# Altium PCB spare.PcbDoc
Units mil, origin at the board's own origin, x right, y up, seen from the top; angles counter-clockwise.
Board outline 3897.64 x 3897.64 mil, 2 copper layers (Top Layer, Bottom Layer); 33 components, 18 nets, 74 pads, 0 vias.
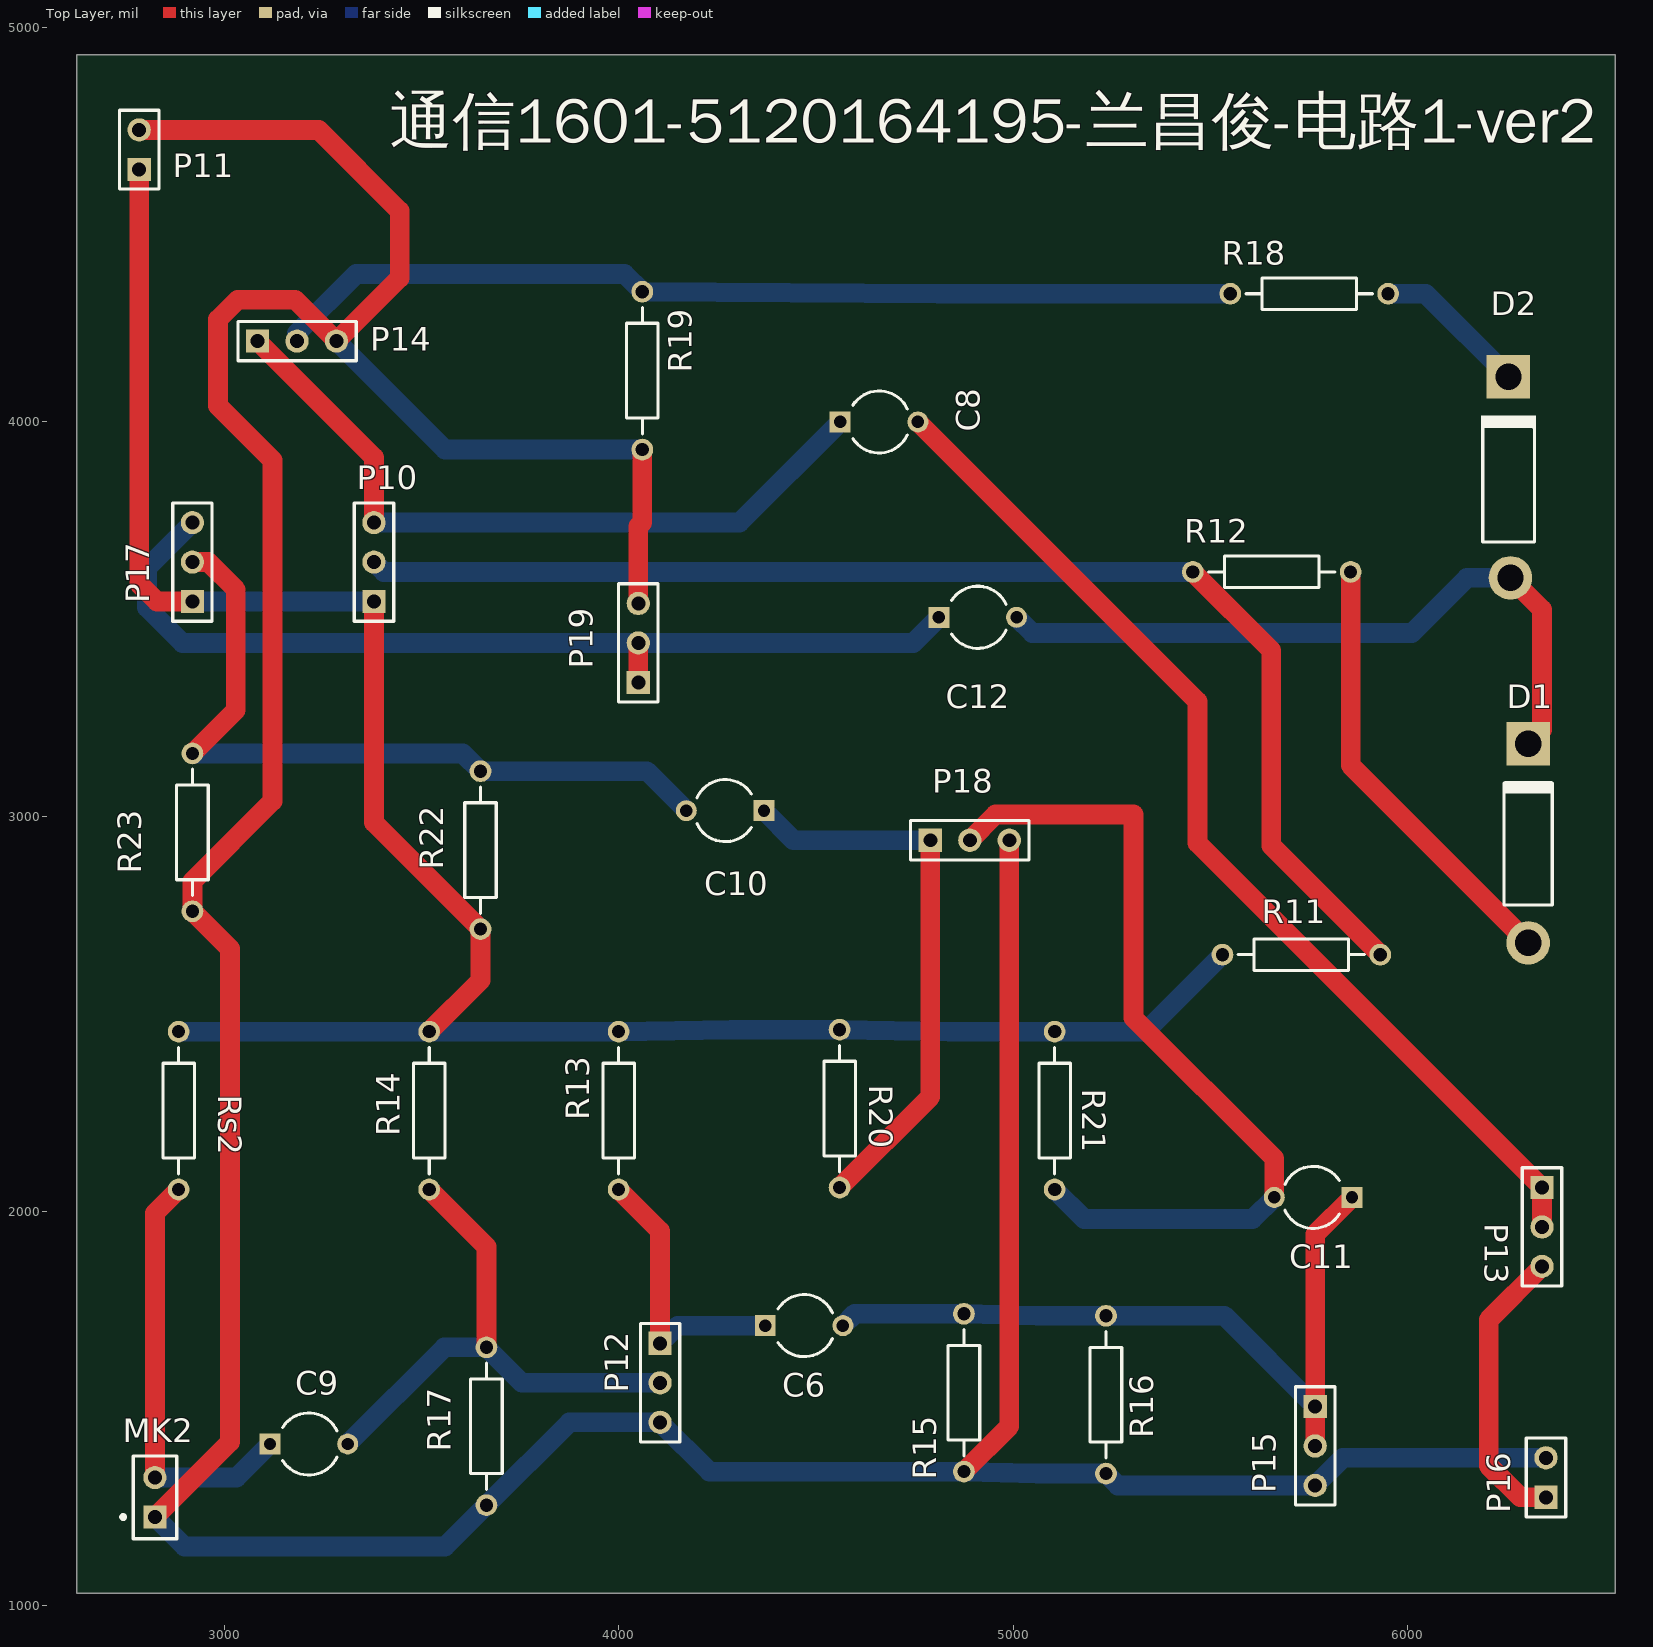
[diagram p0: Top Layer view]
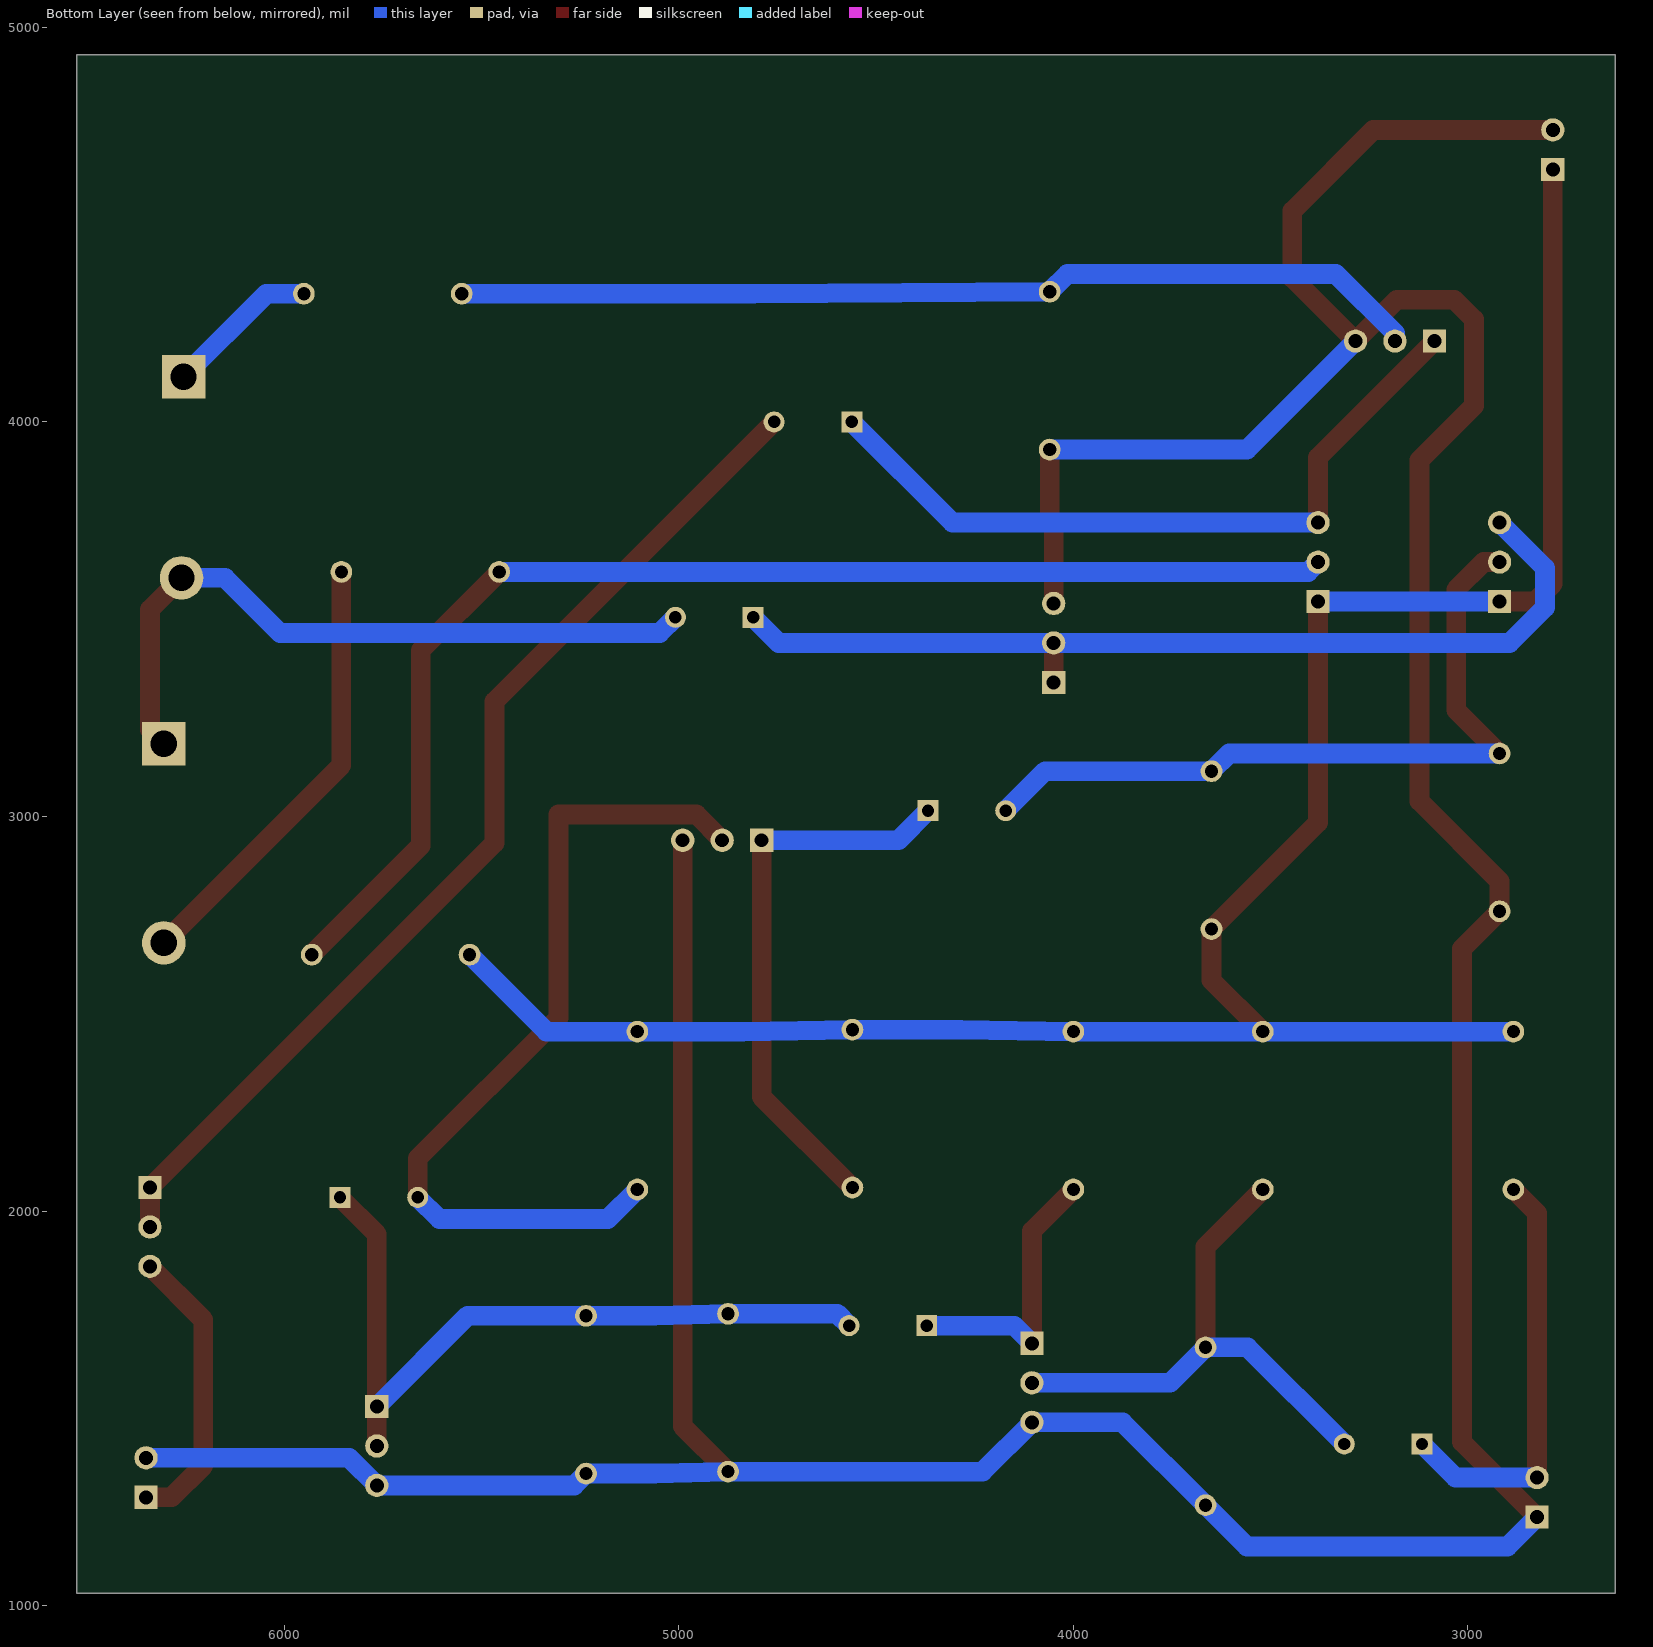
[diagram p1: Bottom Layer view, seen from below]

## Layer stack, top to bottom
Top Solder: solder mask 0.4, Solder Resist, Dk 3.5
Top Layer: signal copper 1.4
Dielectric 1: dielectric 12.6, FR-4, Dk 4.8
Bottom Layer: signal copper 1.4
Bottom Solder: solder mask 0.4, Solder Resist, Dk 3.5

## Board outline
2627.36,1032.36 2627.36,4930 6525,4930 6525,1032.36

## Design rules (kind name [scope] priority, off if disabled: settings)
Clearance [All] p1: gap=10 ignorepadtopadclearanceinfootprint=FALSE except(0: Arc-Hole Track-Hole SMDPad-Hole THPad-Hole Via-Hole Fill-Hole Poly-Hole Region-Hole Text-Hole)
PolygonConnect [All] p1: connectstyle=Relief reliefconductorwidth=10 reliefentries=4 polygonreliefangle="90 Angle" airgapwidth=10
RoutingVias [All] p1: holewidth=28 width=50 viastyle="Through Hole" minholewidth=28 minwidth=50 maxholewidth=28 maxwidth=50
SolderMaskExpansion [All] p1: expansion=4
Width [All] p1: maxlimit=80 minlimit=10 preferedwidth=50
30 further rules are at their usual default settings.

## Components (designator, comment, footprint, x,y, rotation, side; value= is the part's Value field where it differs from the comment)
C6 "Cap2" CAPR5-4X5 4470,1710 r0 top value=100pF
C8 "Cap2" CAPR5-4X5 4660,4000 r0 top value=100pF
C9 "Cap2" CAPR5-4X5 3215,1410 r0 top value=100pF
C10 "Cap2" CAPR5-4X5 4270,3015 r180 top value=100pF
C11 "Cap2" CAPR5-4X5 5760,2035 r180 top value=100pF
C12 "Cap2" CAPR5-4X5 4910,3505 r0 top value=100pF
D1 "Diode 1N5408" DO-201AD#1 6315,2965 r90 top
D2 "Diode 1N5408" DO-201AD#2 6300,3885 r90 top
MK2 "Mic2" PIN2 2825,1225 r90 top
P10 "NPN" HDR1X3 3380,3545 r90 top
P11 "Header 2" HDR1X2 2785,4640 r90 top
P12 "NPN" HDR1X3 4105,1665 r270 top
P13 "Res_var" HDR1X3 6340,2060 r270 top
P14 "PNP" HDR1X3 3085,4205 r0 top
P15 "Res_var" HDR1X3 5765,1505 r270 top
P16 "Speaker" HDR1X2 6350,1275 r90 top
P17 "NPN" HDR1X3 2920,3545 r90 top
P18 "NPN" HDR1X3 4790,2940 r0 top
P19 "Res_var" HDR1X3 4050,3340 r90 top
R11 "Res2" AXIAL-0.4 5730,2650 r0 top value=1K
R12 "Res2" AXIAL-0.4 5655,3620 r180 top value=1K
R13 "Res2" AXIAL-0.4 4000,2255 r90 top value=1K
R14 "Res2" AXIAL-0.4 3520,2255 r90 top value=1K
R15 "Res2" AXIAL-0.4 4875,1540 r90 top value=1K
R16 "Res2" AXIAL-0.4 5235,1535 r90 top value=1K
R17 "Res2" AXIAL-0.4 3665,1455 r90 top value=1K
R18 "Res2" AXIAL-0.4 5750,4325 r0 top value=1K
R19 "Res2" AXIAL-0.4 4060,4130 r90 top value=1K
R20 "Res2" AXIAL-0.4 4560,2260 r90 top value=1K
R21 "Res2" AXIAL-0.4 5105,2255 r90 top value=1K
R22 "Res2" AXIAL-0.4 3650,2915 r270 top value=1K
R23 "Res2" AXIAL-0.4 2920,2960 r90 top value=1K
Rs2 "Res2" AXIAL-0.4 2885,2255 r90 top value=1K

## Footprints (in the part's own frame and the unit in brackets; to place one, negate y for a bottom-side part, rotate by r counter-clockwise, add the part's x,y. Pads: shape width x height; smd on the part's side, far side on the other; paste and mask are expansions set on the pad)
AXIAL-0.4 [mm] "Axial Device, Thru-Hole; 2 Leads; 0.4 in Pin Spacing"
  round 1.4 hole 0.85: 1(-5.08,0) 2(5.08,0)
  silkscreen extent -4.06,-1.02 4.06,1.02
CAPR5-4X5 [mm] "Capacitor; 2 Leads"
  rect 1.35x1.35 hole 0.8: 1(-2.5,0)
  round 1.35 hole 0.8: 2(2.5,0)
  silkscreen extent -1.69,-2 1.82,2
DO-201AD#1 [mm] "Diode, Axial; Body 9.5 x 5.6 mm (LxDia. max), Lead Dia. 1.32 mm (max)"
  round 2.8 hole 1.7: 1(-7.239,0.254)
  rect 2.8x2.8 hole 1.7: 2(5.588,0.254)
  silkscreen extent -4.8,-1.3 3.17,1.8
DO-201AD#2 [mm] "Diode, Axial; Body 9.5 x 5.6 mm (LxDia. max), Lead Dia. 1.32 mm (max)"
  round 2.8 hole 1.7: 1(-7.112,1.016)
  rect 2.8x2.8 hole 1.7: 2(5.842,1.143)
  silkscreen extent -4.8,-0.64 3.34,2.92
HDR1X2 [mm] "Connector; Header; 2 Position"
  rect 1.5x1.5 hole 0.9: 1(0,0)
  round 1.5 hole 0.9: 2(2.54,0)
  silkscreen extent -1.27,-1.27 3.81,1.27
HDR1X3 [mm] "Connector; Header; 3 Position"
  rect 1.5x1.5 hole 0.9: 1(0,0)
  round 1.5 hole 0.9: 2(2.54,0) 3(5.08,0)
  silkscreen extent -1.27,-1.27 6.35,1.27
PIN2 [mm] "Photosensitive Diode; 2 Leads"
  rect 1.5x1.5 hole 0.9: 1(0,0)
  round 1.5 hole 0.9: 2(2.54,0)
  silkscreen extent -1.4,-1.4 3.94,2.17

## Part data
C6 C8 C9 C10 C11 C12: "Capacitor", PackageDescription="Capacitor; 2 Leads", PackageReference=CAPR5-4X5, Published=23-Sep-2002, Publisher="Altium Limited"
D1 D2: "3 Amp Medium Power Silicon Rectifier Diode", ComponentLink1Description="Manufacturer Link", ComponentLink1URL=http://www.irf.com/, DatasheetVersion=Aug-1984, LatestRevisionDate=17-Jul-2002, LatestRevisionNote="Re-released for DXP Platform.", PackageDescription="Diode, Axial; Body 9.5 x 5.3 mm (LxDia. max), Lead Dia. 1.32 mm (max)", PackageReference=DO-201AD, Published=8-Jun-2000, Publisher="Altium Limited"
MK2: "Microphone", LatestRevisionDate=17-Jul-2002, LatestRevisionNote="Re-released for DXP Platform.", PackageReference=PIN2, Published=24-Mar-1999, Publisher="Altium Limited"
P10 P12 P13 P14 P15 P17 P18 P19: library part "Header 3", "Header, 3-Pin", LatestRevisionDate=17-Jul-2002, LatestRevisionNote="Re-released for DXP Platform.", Publisher="Altium Limited"
P11: "Header, 2-Pin", LatestRevisionDate=17-Jul-2002, LatestRevisionNote="Re-released for DXP Platform.", Publisher="Altium Limited"
P16: library part "Header 2", "Header, 2-Pin", LatestRevisionDate=17-Jul-2002, LatestRevisionNote="Re-released for DXP Platform.", Publisher="Altium Limited"
R11 R12 R13 R14 R15 R16 R17 R18 R19 R20 R21 R22 R23 Rs2: "Resistor", LatestRevisionDate=17-Jul-2002, LatestRevisionNote="Re-released for DXP Platform.", PackageDescription="Axial Device, Thru-Hole; 2 Leads; 0.4 in Pin Spacing", PackageReference=AXIAL-0.4, Published=8-Jun-2000, Publisher="Altium Limited"

## Nets (pads, with @x,y where several pads share a name; then routed paths per layer and width w, separated by ;. In a path a pad name is that pad's centre, name@x,y a point inside that pad or via, vN(x,y) a via of type N, cw(c..) or ccw(c..) an arc to the next point about the centre after c; other vN are vias at no path point)
GND: MK2.1 P11.2 P12.3 P14.3 P15.3 P16.2 P18.3 P19.3 R15.1 R16.1 R17.1 R19.1 R23.1 | length 11510.2
  Top Layer w50: P11.2 3240,4740 3445,4535 3445,4365 P14.3 3180,4310 3035,4310 2985,4260 2985,4041 3123,3903 3123,3039 2920,2836 R23.1 3015,2665 3015,1415 MK2.1 ; P19.3 4050,3735 4060,3745 R19.1 ; R15.1 4990,1455 P18.3
  Bottom Layer w50: MK2.1 2900,1150 3560,1150 R17.1 3875,1465 P12.3 4230,1340 R15.1 5060,1335 R16.1 5265,1305 P15.3 5835,1375 P16.2 ; P14.3 3560,3930 R19.1
mic1_input: C9.1 MK2.2 Rs2.1 | length 1081.6
  Top Layer w50: MK2.2 2825,1995 Rs2.1
  Bottom Layer w50: MK2.2 3031.57,1325 C9.1
mid1_out0: C12.2 D1.2 D2.1 | length 1793.8
  Top Layer w50: D2.1 6340,3525 6340,3220 D1.2
  Bottom Layer w50: C12.2 5048.43,3465 6010,3465 6150,3605 D2.1
mid1_out1: P10.1 P11.1 P17.1 R11.1 R13.2 R14.2 R20.2 R21.2 R22.2 Rs2.2 | length 5645.2
  Top Layer w50: P11.1 2785,3590 2830,3545 P17.1 ; P10.1 3380,2985 R22.2 3650,2585 R14.2
  Bottom Layer w50: Rs2.2 R14.2 R13.2 4285,2460 R20.2 4838,2455 R21.2 5335,2455 R11.1 ; P17.1 P10.1
mid1_out2: C10.2 P17.2 R22.1 R23.2 | length 1911.2
  Top Layer w50: R23.2 3030,3270 3030,3575 2960,3645 P17.2
  Bottom Layer w50: R23.2 3605,3160 R22.1 4071.57,3115 C10.2
NetC6_1: C6.1 P12.1 R13.1 | length 718.7
  Top Layer w50: R13.1 4105,1950 P12.1
  Bottom Layer w50: P12.1 4150,1710 C6.1
NetC8_1: C8.1 P10.3 P14.1 | length 1869.4
  Top Layer w50: P14.1 3380,3910 P10.3
  Bottom Layer w50: P10.3 4306.58,3745 C8.1
NetC8_2: C8.2 P13.1 P13.2 | length 2695.1
  Top Layer w50: C8.2 5467,3291.43 5467,2933 P13.1 P13.2
NetC9_2: C9.2 P12.2 R14.1 R17.2 | length 1390.4
  Top Layer w50: R14.1 3665,1910 R17.2
  Bottom Layer w50: C9.2 3558.43,1655 R17.2 3755,1565 P12.2
NetC10_1: C10.1 P18.1 R20.1 | length 1427.9
  Top Layer w50: R20.1 4790,2290 P18.1
  Bottom Layer w50: C10.1 4443.43,2940 P18.1
NetC11_2: C11.2 P18.2 R21.1 | length 2170
  Top Layer w50: P18.2 4955,3005 5305,3005 5305,2490 5661.57,2133.43 C11.2
  Bottom Layer w50: R21.1 5180,1980 5606.57,1980 C11.2
NetC12_1: C12.1 P17.3 P19.1 P19.2 | length 2433.4
  Top Layer w50: P19.1 P19.2
  Bottom Layer w50: P17.3 2805,3630 2805,3530 2895,3440 P19.2 4746.57,3440 C12.1
NetD1_1: D1.1 R12.1 | length 1126.4
  Top Layer w50: R12.1 5855,3130 D1.1
NetD2_2: D2.2 R18.2 | length 392
  Bottom Layer w50: R18.2 6045,4325 D2.2
NetP10_2: P10.2 R11.2 R12.2 | length 3252.1
  Top Layer w50: R12.2 5654,3421 5654,2926 R11.2
  Bottom Layer w50: P10.2 3405,3620 R12.2
NetP13_3: P13.3 P16.1 | length 739.1
  Top Layer w50: P13.3 6205,1725 6205,1355 6285,1275 P16.1
NetP14_2: P14.2 R18.1 R19.2 | length 2465.8
  Bottom Layer w50: P14.2 3185,4225 3335,4375 4015,4375 R19.2 4810,4325 R18.1
reverse1_out: C6.2 C11.1 P15.1 P15.2 R15.2 R16.2 | length 1973
  Top Layer w50: P15.2 P15.1 5765,1941.57 C11.1
  Bottom Layer w50: C6.2 4598.43,1740 R15.2 5060,1735 R16.2 5535,1735 P15.1

## Silkscreen, mask and mechanical layers (free items; w line width, h text height)
Top Overlay:
  text "通信1601-5120164195-兰昌俊-电路1-ver2" at 3420,4670 h200
Mechanical 1:
  the board outline again, w10